# Altium PCB PROC099A_ASCII.PcbDoc (part 3 of 6)
Units mil, origin at the board's own origin, x right, y up, seen from the top; angles counter-clockwise.
Board outline 3180 x 2565 mil, 6 copper layers (TOP, L2, L3, L4, L5, BOTTOM), stack 55.54 mil thick; 362 components, 264 nets, 1248 pads, 1144 vias.
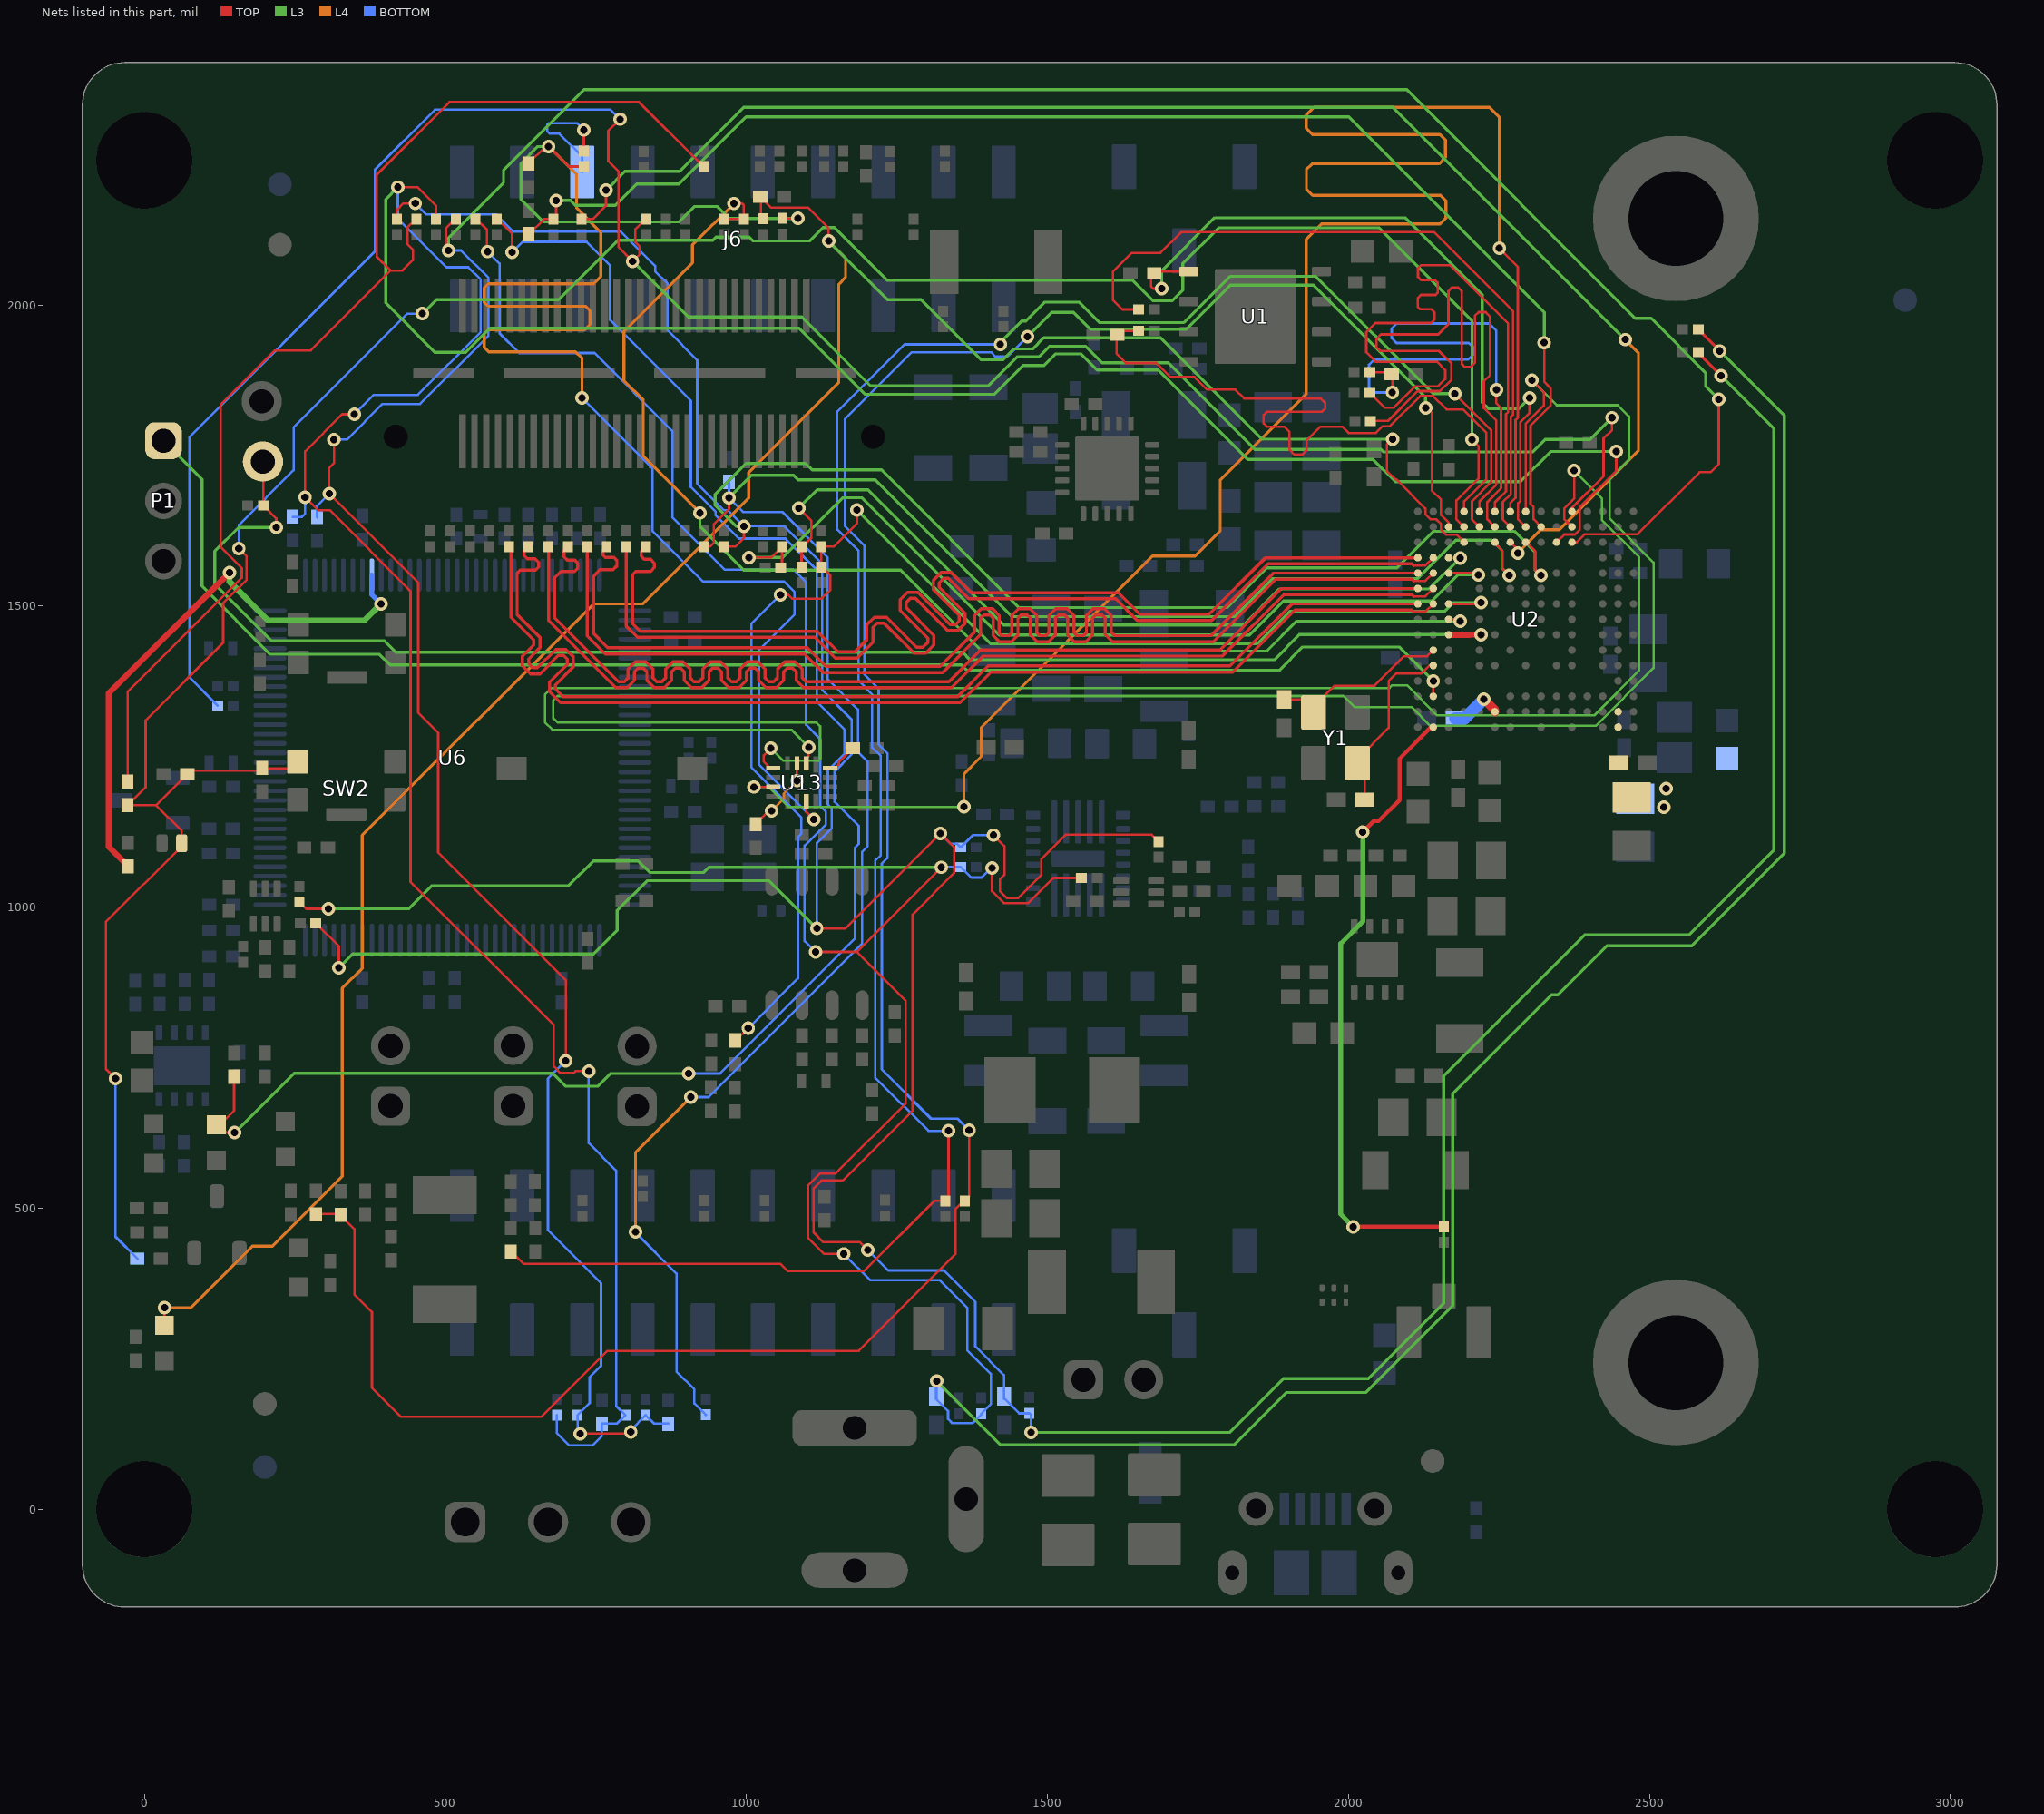
[diagram p7: the nets of this part, all layers, seen from the top]

## Via types
v1: diameter 22.4, hole 12.2, TOP to BOTTOM, tented both sides, 621 vias
v2: diameter 15.74, hole 5.9, TOP to L2, tented top, 508 vias
v3: diameter 19.68, hole 7.87, TOP to BOTTOM, tented top, 7 vias
v4: diameter 19.68, hole 7.87, TOP to BOTTOM, 4 vias
v5: diameter 19.68, hole 7.87, TOP to BOTTOM, tented both sides, 3 vias
v6: diameter 19.68, hole 7.87, TOP to BOTTOM, tented bottom, 1 vias

## Nets (pads, with @x,y where several pads share a name; then routed paths per layer and width w, separated by ;. In a path a pad name is that pad's centre, name@x,y a point inside that pad or via, vN(x,y) a via of type N, cw(c..) or ccw(c..) an arc to the next point about the centre after c; other vN are vias at no path point) (continued)
AR_LVDSCSI2_N: R54.2 U2.K14 | length 1930.8
  TOP w4: 2108.32,1516.14 2128.07,1516.14 U2.K14@2141.01,1529.08
  TOP w5.2: R54.2@671.35,1598.73 671.35,1476.15 783.2,1364.3 801.86,1364.3 813.92,1376.36 813.92,1391.01 820.01,1397.1 828.63,1397.1 834.72,1391.01 834.72,1376.36 846.78,1364.3 863.86,1364.3 875.92,1376.36 875.92,1391.01 882.01,1397.1 890.63,1397.1 896.72,1391.01 896.72,1376.36 908.78,1364.3 925.86,1364.3 937.92,1376.36 937.92,1391.01 944.01,1397.1 952.63,1397.1 958.72,1391.01 958.72,1376.36 970.78,1364.3 987.86,1364.3 999.92,1376.36 999.92,1391.01 1006.01,1397.1 1014.63,1397.1 1020.72,1391.01 1020.72,1376.36 1032.78,1364.3 1049.86,1364.3 1061.92,1376.36 1061.92,1391.01 1068.01,1397.1 1076.63,1397.1 1082.72,1391.01 1082.72,1376.36 1094.78,1364.3 1340.79,1364.3 1393.29,1416.8 1790.68,1416.8 1892.76,1518.88 2105.58,1518.88 2108.32,1516.14
AR_LVDSCSI2_P: R55.2 U2.K15 | length 1930.8
  TOP w5.2: R55.2@703.85,1598.73 697,1591.88 697,1581.7 702.2,1576.5 714.8,1576.5 720,1571.3 720,1562.7 714.8,1557.5 692,1557.5 681.55,1547.05 681.55,1480.38 787.43,1374.5 797.63,1374.5 803.72,1380.59 803.72,1395.24 815.78,1407.3 832.86,1407.3 844.92,1395.24 844.92,1380.59 851.01,1374.5 859.63,1374.5 865.72,1380.59 865.72,1395.24 877.78,1407.3 894.86,1407.3 906.92,1395.24 906.92,1380.59 913.01,1374.5 921.63,1374.5 927.72,1380.59 927.72,1395.24 939.78,1407.3 956.86,1407.3 968.92,1395.24 968.92,1380.59 975.01,1374.5 983.63,1374.5 989.72,1380.59 989.72,1395.24 1001.78,1407.3 1018.86,1407.3 1030.92,1395.24 1030.92,1380.59 1037.01,1374.5 1045.63,1374.5 1051.72,1380.59 1051.72,1395.24 1063.78,1407.3 1080.86,1407.3 1092.92,1395.24 1092.92,1380.59 1099.01,1374.5 1336.57,1374.5 1389.07,1427 1786.46,1427 1888.54,1529.08 U2.K15@2115.42,1529.08
AR_LVDSCSI3_N: R56.2 U2.L14 | length 1930.7
  TOP w4: 2108.32,1541.73 2128.07,1541.73 U2.L14@2141.01,1554.67
  TOP w5.2: R56.2@735.75,1598.73 735.76,1450.3 765.56,1420.5 1096.79,1420.5 1127.79,1389.5 1326.03,1389.5 1389.09,1452.56 1389.09,1480.1 1394.29,1485.3 1404.69,1485.3 1409.89,1480.1 1409.89,1450.81 1420.2,1440.5 1439.92,1440.5 1451.09,1451.67 1451.09,1480.1 1456.29,1485.3 1466.69,1485.3 1471.89,1480.1 1471.89,1451.68 1483.07,1440.5 1501.91,1440.5 1513.09,1451.68 1513.09,1480.1 1518.29,1485.3 1528.69,1485.3 1533.89,1480.1 1533.89,1451.67 1545.06,1440.5 1563.91,1440.5 1575.09,1451.68 1575.09,1480.1 1580.29,1485.3 1590.69,1485.3 1595.89,1480.1 1595.89,1452.56 1607.95,1440.5 1775.76,1440.5 1879.73,1544.47 2105.58,1544.47 2108.32,1541.73
AR_LVDSCSI3_P: R57.2 U2.L15 | length 1930.7
  TOP w5.2: R57.2@768.05,1598.73 762,1592.68 762,1584.5 766,1580.5 779.8,1580.5 785,1575.3 785,1566.7 778.8,1560.5 757,1560.5 745.96,1549.46 745.96,1454.53 769.79,1430.7 1101.02,1430.7 1132.02,1399.7 1321.8,1399.7 1378.89,1456.79 1378.89,1484.33 1390.06,1495.5 1408.92,1495.5 1420.09,1484.33 1420.09,1455.04 1424.43,1450.7 1435.69,1450.7 1440.89,1455.9 1440.89,1484.33 1452.06,1495.5 1470.92,1495.5 1482.09,1484.33 1482.09,1455.91 1487.3,1450.7 1497.68,1450.7 1502.89,1455.91 1502.89,1484.33 1514.06,1495.5 1532.92,1495.5 1544.09,1484.33 1544.09,1455.9 1549.29,1450.7 1559.68,1450.7 1564.89,1455.91 1564.89,1484.33 1576.06,1495.5 1594.92,1495.5 1606.09,1484.33 1606.09,1456.79 1612.18,1450.7 1771.53,1450.7 1875.5,1554.67 U2.L15@2115.42,1554.67
AR_LVDSCSI_CLK_N: R52.2 U2.J14 | length 1930.5
  TOP w4: 2108.32,1490.55 2128.07,1490.55 U2.J14@2141.01,1503.49
  TOP w5.2: R52.2@605.75,1598.73 609,1595.48 609,1481.5 646.75,1443.75 646.75,1435.13 627.95,1416.33 627.95,1400.51 641.29,1387.17 657.11,1387.17 687.72,1417.78 696.28,1417.78 702.43,1411.63 702.43,1403.07 672.83,1373.47 672.83,1357.67 691.2,1339.3 1355.15,1339.3 1405.98,1390.12 1807.86,1390.12 1911.03,1493.29 2105.58,1493.29 2108.32,1490.55
AR_LVDSCSI_CLK_P: R53.2 U2.J15 | length 1930.2
  TOP w5.2: R53.2@638.25,1598.73 631,1591.48 631,1583.7 636.2,1578.5 648.78,1578.5 655,1572.28 655,1564.7 649.8,1559.5 624.4,1559.5 619.2,1554.3 619.2,1485.73 656.95,1447.98 656.95,1430.9 638.15,1412.1 638.15,1404.74 645.52,1397.37 652.88,1397.37 683.49,1427.98 700.51,1427.98 712.63,1415.86 712.63,1398.84 683.03,1369.24 683.03,1361.9 695.43,1349.5 1350.93,1349.5 1401.75,1400.32 1803.64,1400.32 1906.8,1503.49 U2.J15@2115.42,1503.49
AR_LVDSCSI_FRCLK_N: R58.2 U2.M14 | length 1930.8
  TOP w4: 2108.32,1567.32 2128.07,1567.32 U2.M14@2141.01,1580.26
  TOP w5.2: R58.2@800.55,1598.73 800.55,1466.51 819.26,1447.8 1113.7,1447.8 1148,1413.5 1184.14,1413.5 1210.39,1439.74 1210.39,1464.72 1216.94,1471.27 1228.79,1471.27 1277.87,1422.19 ; 1277.88,1422.19 1278.69,1421.38 1297.65,1421.38 1311.47,1435.2 1311.47,1451.01 1310.59,1451.89 1265.73,1496.76 1265.73,1506.32 1271.96,1512.55 1280.96,1512.55 1334.46,1459.05 1351.54,1459.05 1363.6,1471.11 1363.6,1488.19 1320.53,1531.26 1320.53,1538.39 1328.13,1545.99 1335.26,1545.99 1369.33,1511.92 1613.53,1511.92 1649.29,1476.16 1772.79,1476.16 1866.69,1570.06 2105.58,1570.06 2108.32,1567.32
AR_LVDSCSI_FRCLK_P: R59.2 U2.M15 | length 1930.3
  TOP w5.2: R59.2@833.05,1598.73 825,1590.68 825,1582.7 830.2,1577.5 840.92,1577.5 847.24,1571.18 847.24,1563.82 840.92,1557.5 816,1557.5 810.75,1552.25 810.75,1470.74 823.49,1457.99 1117.93,1457.99 1152.23,1423.7 1179.92,1423.7 1200.19,1443.97 1200.19,1468.94 1212.72,1481.47 1233.02,1481.47 1282.91,1431.58 1293.43,1431.58 1301.28,1439.42 1301.28,1446.78 1255.53,1492.53 1255.53,1510.54 1267.74,1522.75 1285.19,1522.75 1338.69,1469.25 1347.31,1469.25 1353.4,1475.34 1353.4,1483.96 1310.33,1527.03 1310.33,1542.61 1323.91,1556.19 1339.49,1556.19 1373.56,1522.12 1617.76,1522.12 1653.52,1486.36 1768.56,1486.36 1862.46,1580.26 U2.M15@2115.42,1580.26
AR_MCUCLKOUT: R25.1 U2.N9 | length 2473.2
  TOP w4: R25.1@726.25,2142.71 744.9,2142.71 767,2164.81 v1(767,2190.5) ; U2.N9@2268.96,1605.85 2281.19,1593.62 v1(2281.19,1587.85)
  L3 w5: v1(767,2190.5) 798.36,2221.86 889.32,2221.86 995.82,2328.37 2074.05,2328.37 v1(2459.96,1942.46)
  L4 w5: v1(2281.19,1587.85) 2319.84,1626.5 2350.43,1626.5 2481.77,1757.84 2481.77,1920.65 v1(2459.96,1942.46)
AR_MISO1: U2.P5 U13.2 | length 2887.4
  TOP w4: U13.2@1099.73,1238.71 1099.73,1247.06 1103.57,1250.89 v1(1103.57,1265.52) ; U2.P5@2371.32,1631.44 2358.82,1643.94 2358.82,1662.32 2375,1678.5 v1(2375,1725)
  L3 w4: v1(1103.57,1265.52) 1074.7,1294.39 677.98,1294.39 665.41,1306.96 665.41,1352.64 676.51,1363.74 2068.2,1363.74 2072.78,1368.32 2097.46,1368.32 2147.38,1318.4 2408.4,1318.4 2483.17,1393.17 2483.17,1581.06 2421.18,1643.05 2421.18,1678.82 v1(2375,1725)
AR_MOSI1: U2.R8 U13.5 | length 3449.3
  TOP w4: v1(1040.7,1263.94) 1028.78,1252.02 1028.78,1241.41 1039.36,1230.83 U13.5@1044.61,1230.83 ; U2.R8@2294.55,1657.03 2294.55,1802.77 2324.54,1832.77 2324.54,1855.08 v1(2304.72,1874.9)
  L3 w4: v1(1040.7,1263.94) 1061.69,1242.95 1119.65,1242.95 1122.59,1245.9 1122.59,1300.34 1116.76,1306.18 686.78,1306.18 679.28,1313.68 679.28,1343.46 686.33,1350.51 1991.94,1350.51 2010.64,1331.81 2105.54,1331.81 2136.32,1301.02 2411.06,1301.02 2506.93,1396.89 2506.93,1572.14 2434.1,1644.97 2434.1,1711.17 2465.94,1743.02 2465.94,1814.9 2447.33,1833.51 2346.11,1833.51 v1(2304.72,1874.9)
AR_MSS_LOGGER: R26.1 R136.1 U2.R5 | length 3858.3
  TOP w4: v1(790,2308.5) 770.75,2289.25 770.75,2238.75 787.37,2222.13 787.37,2096.13 v1(811,2072.5) 822.45,2083.95 822.45,2097.21 815.72,2103.95 815.72,2125.93 832.5,2142.71 R26.1@834.11,2142.71 ; U2.R5@2371.32,1657.03 2371.32,1662.82 2423.95,1715.45 2423.95,1778.54 2437.81,1792.4 v1(2437.81,1812.83)
  L3 w5: v1(811,2072.5) 903.55,1979.95 1092.11,1979.95 1206.2,1865.87 1402.01,1865.87 1449.72,1913.58 1486.35,1913.58 1504.32,1931.55 1563.3,1931.55 1590.81,1904.04 1700.57,1904.04 1844.52,1760.09 2054.08,1760.09 2058.42,1755.74 2306.14,1755.74 2327,1776.61 2401.58,1776.61 v1(2437.81,1812.83)
  BOTTOM w4: R136.1@121.79,1334.29 75,1381.08 75,1780.78 383,2088.78 383,2224.49 482.72,2324.22 774.28,2324.22 v1(790,2308.5)
AR_NERR_OUT: DS1.2 R7.2 R19.1 R91.1 U2.N8 | length 4919.1
  TOP w4: R91.1@149,718.2 149,662.1 124.73,637.83 137.06,625.5 v1(150,625.5) ; R19.1@419.25,2142.71 419.25,2157.75 430,2168.5 v1(450,2168.5) ; R7.2@962.11,1598.73 981.73,1598.73 995.94,1612.94 v1(995.94,1632.56) ; U2.N8@2294.55,1605.85 2295.65,1605.85 2310,1591.5 2310,1560.45 v1(2319.65,1550.8)
  L3 w5: v1(150,625.5) 248.65,724.15 678.65,724.15 700.35,702.45 752.8,702.45 773.85,723.5 v1(904,723.5) ; v1(995.94,1632.56) 982.51,1632.56 948,1667.07 948,1685.77 999.12,1736.89 1098.3,1736.89 1109.23,1725.96 1224.73,1725.96 1453.32,1497.37 1798.45,1497.37 1864.47,1563.39 2080.69,1563.39 2141.36,1624.05 2275.55,1624.05 2310,1589.6 2310,1560.45 v1(2319.65,1550.8)
  BOTTOM w4: v1(450,2168.5) 468.33,2150.17 584.66,2150.17 613.16,2121.66 791.6,2121.66 848.52,2064.74 848.52,2055.72 869.16,2035.08 869.16,1957.7 918.47,1908.39 918.47,1703.46 962.96,1658.97 969.53,1658.97 v1(995.94,1632.56) 1063.08,1632.56 1126.12,1569.52 1126.12,1360.38 1174.8,1311.7 1174.8,1253.49 1146.37,1225.06 1146.37,1174.96 1186.69,1134.64 1186.69,1104.83 1180.54,1098.69 1180.54,947.84 956.2,723.5 v1(904,723.5)
AR_NERRIN: R16.1 R24.1 U2.P7 | length 2305.9
  TOP w4: R16.1@638.2,2118.25 639.75,2118.25 664.21,2142.71 R24.1@679.75,2142.71 684,2146.96 v1(684,2173.5) ; U2.P7@2320.14,1631.44 2307.55,1644.03 2307.55,1664.36 2302.55,1669.36 2302.55,1799.46 2336,1832.91 2336,1861.75 2325.3,1872.46 v1(2325.3,1937.18)
  L3 w5: v1(684,2173.5) 708.06,2173.5 716.11,2165.45 782.52,2165.45 817.7,2200.63 888.09,2200.63 999.73,2312.27 2000.58,2312.27 2325.3,1987.56 v1(2325.3,1937.18)
AR_NRST: C11.2 D2.2 R74.1 R77.2 R160.1 SW2.4 U2.P12 | length 4567.5
  TOP w4: v1(-48,715.5) -64,731.5 -64,975.35 62.05,1101.4 D2.2@62.05,1106.06 62.05,1126.47 19.36,1169.16 ; v1(157,1595.5) 169.9,1582.6 169.9,1543.6 130.99,1504.7 130.99,1439.05 2,1310.06 2,1198.9 R77.2@-27.74,1169.16 19.36,1169.16 ; SW2.4@254.64,1241.26 243.93,1230.55 195.7,1230.55 191.65,1226.5 76.69,1226.5 R74.1@71.34,1221.14 19.36,1169.16 ; U2.P12@2192.19,1631.44 2192.1,1631.44 2179.59,1643.95 2179.59,1675.35 2216.39,1712.15 2216.39,1765.01 v1(2205.25,1776.15)
  L3 w5: v1(462,1985.5) 485.14,2008.64 687.94,2008.64 786.65,2107.34 944.35,2107.34 949.73,2112.72 1004.64,2112.72 1011.16,2106.21 1104.74,2106.21 1127.24,2128.71 1146.35,2128.71 1233.93,2041.14 1641.05,2041.14 1675.09,2007.09 1707.54,2007.09 1724.93,2024.47 1724.93,2068.73 1784.2,2128 2051.11,2128 2205.25,1973.86 v1(2205.25,1776.15)
  BOTTOM w4: v1(-48,715.5) -48,452.71 R160.1@-11.2,415.91 ; v1(157,1595.5) 157,1634.74 248,1725.74 248,1796.51 436.99,1985.5 v1(462,1985.5)
AR_NRST_MCU: R2.2 R20.1 R77.1 | length 2040
  TOP w4: R77.1@-27.74,1207.75 R77.1@-27.74,1208.53 -27.74,1357.28 161.9,1546.92 161.9,1562.83 126.94,1597.78 126.94,1834.81 216.64,1924.5 276.3,1924.5 408.8,2057 ; R20.1@452.11,2142.71 450.87,2142.71 436.84,2128.68 436.84,2101.15 446.2,2091.79 446.2,2074.7 428.5,2057 408.8,2057 ; 408.8,2057 386,2079.8 386,2215.99 507.01,2337 821.54,2337 918.88,2239.66 ; 918.88,2239.66 928.81,2229.73 R2.2@930.05,2229.73 920.12,2239.66 918.88,2239.66
AR_NRST_XDS: R80.1 U6.40 | length 942.6
  TOP w10: R80.1@-27.26,1068.25 -59,1099.99 -59,1355.42 v1(141.26,1555.68)
  L3 w10: v1(141.26,1555.68) 141.26,1540.43 205.74,1475.95 365.45,1475.95 v1(393,1503.5)
  BOTTOM w8: U6.40@377.93,1551.19 377.93,1518.57 v1(393,1503.5)
AR_OSC_CLKOUT: R111.1 U2.A14 | length 1059.7
  TOP w7.08: v1(2008,469.16) R111.1@2158.86,469.16 ; v1(2024,1124.5) 2042.22,1142.72 2050.13,1142.72 2085,1177.59 2085,1246.5 2137.27,1298.77 U2.A14@2141.01,1298.77
  L3 w8: v1(2008,469.16) 1987.13,490.03 1987.13,939.36 2024,976.23 v1(2024,1124.5)
AR_PMIC_CLKOUT_SOP2: R97.1 R98.1 R109.2 U2.P13 | length 4362.4
  TOP w4: R97.1@285,490.25 324.11,490.25 349,465.36 349,356.5 378,327.5 378,201.49 425.99,153.5 659.51,153.5 769.07,263.06 1186.64,263.06 1347.44,423.86 1347.44,498.55 1360.96,512.07 R109.2@1362.85,512.07 1370.05,519.28 v1(1370.05,629.15) ; v1(2128.34,1829.19) 2130.31,1829.19 2138.4,1821.1 2138.4,1691.94 2153.85,1676.49 2153.85,1650.79 2166.6,1638.04 U2.P13@2166.6,1631.44
  L3 w5: v1(1467,1947.5) 1506.93,1987.44 1543.66,1987.44 1571.61,1959.49 1730.65,1959.49 1803.9,2032.73 1942.34,2032.73 2128.34,1846.73 v1(2128.34,1829.19)
  BOTTOM w4: v1(1370.05,629.15) 1350.6,648.61 1306.78,648.61 1225.06,730.32 1225.06,1072.24 1234.27,1081.45 1234.27,1255.38 1219.8,1269.85 1219.8,1362.91 1195.95,1386.76 1195.95,1600.47 1163.51,1632.91 1163.51,1810.14 1274.67,1921.3 1406.63,1921.3 1413.63,1914.3 1433.8,1914.3 v1(1467,1947.5)
AR_QSPI_CS: R38.1 U1.1 U2.P8 | length 1249.6
  TOP w4: v1(1690.01,2027.11) 1675.67,2027.11 1672.36,2030.43 1672.36,2047.32 R38.1@1677.37,2052.34 1680.71,2055.68 U1.1@1734.99,2055.68 ; U2.P8@2294.55,1631.44 2282.05,1643.94 2282.05,1670.71 2285.78,1674.44 2285.78,1805.32 2301,1820.54 v1(2301,1845.5)
  L3 w5: v1(1690.01,2027.11) 1690.01,2056.68 1778.05,2144.71 2094.4,2144.71 2222.37,2016.74 2222.37,1838.01 2232.8,1827.57 2283.07,1827.57 v1(2301,1845.5)
AR_QSPI_D0: R45.2 U2.R11 | length 1154.6
  TOP w4: R45.2@2036.77,1807.35 2036.92,1807.5 2065.8,1807.5 2115.18,1856.87 2152.14,1856.87 2171.08,1875.81 2171.08,1902.99 2150.52,1923.55 2052.86,1923.55 2046.91,1929.5 2046.91,1943.74 2054.11,1950.94 2149.19,1950.94 2166.23,1967.98 2166.23,2022.98 2172.44,2029.19 2181.64,2029.19 2188.41,2022.42 2188.41,1901.93 2193.37,1896.97 2203.3,1896.97 2210.03,1903.7 2210.03,1981.59 2216.33,1987.9 2228.07,1987.9 2235.25,1980.72 2235.25,1883.57 2225,1873.32 2225,1828.83 2245.41,1808.42 2245.41,1701.17 2217.78,1673.54 U2.R11@2217.78,1657.03
AR_QSPI_D1: R39.1 U2.P9 | length 1213.3
  TOP w4: R39.1@1651.79,1992.45 1624.55,1992.45 1608.69,2008.31 1608.69,2055.09 1639.97,2086.37 1687.99,2086.37 1722.39,2120.78 2142.66,2120.78 2273.38,1990.06 2273.38,1817.75 2269.78,1814.16 2269.78,1686.04 2256.46,1672.72 2256.46,1643.94 U2.P9@2268.96,1631.44
AR_QSPI_D2: R42.1 R43.1 U2.R12 | length 1219.1
  TOP w4: R42.1@1651.79,1956.85 1621.64,1956.85 1615,1950.21 1615,1918.83 1630.2,1903.63 1681.2,1903.63 1704.4,1880.44 1744.17,1880.44 1765.2,1859.41 1812.22,1859.41 1826.91,1844.73 1953.95,1844.73 1961.78,1836.9 1961.78,1828.53 1955.82,1822.58 1864.87,1822.58 1859.14,1816.84 1859.14,1803.04 1864.43,1797.74 1893.14,1797.74 1902.09,1788.79 1902.09,1759.76 1910.32,1751.53 1923.67,1751.53 1930.66,1758.53 1930.66,1774.52 1953.88,1797.74 1989.95,1797.74 2000.3,1787.39 2045.88,1787.39 2057.08,1798.59 2069.18,1798.59 2119.46,1848.87 2140.66,1848.87 2163.03,1826.5 2190.01,1826.5 2229.26,1787.25 2229.26,1711.02 2192.19,1673.95 U2.R12@2192.19,1657.03
AR_QSPI_D3: R40.2 R41.1 U2.P10 | length 1024
  TOP w4: R40.2@2035.77,1888.35 2068.88,1888.35 2073,1884.23 v1(2073,1854.5) ; U2.P10@2243.37,1631.44 2243.3,1631.44 2230.59,1644.15 2230.59,1672.45 2253.65,1695.51 2253.65,1828.97 2245.76,1836.86 v1(2245.76,1859.34)
  BOTTOM w4: v1(2073,1854.5) 2042.75,1854.5 2034.39,1862.86 2034.39,1900.71 2042.76,1909.08 2198.68,1909.08 2206.97,1917.38 2206.97,1929.99 2200.13,1936.83 2079.88,1936.83 2071.9,1944.81 2071.9,1960.48 2080.58,1969.15 2233.97,1969.15 2245.76,1957.36 v1(2245.76,1859.34)
AR_QSPI_SCLK: R44.2 U2.R10 | length 1144.7
  TOP w4: R44.2@2035.77,1853.85 2060.12,1829.5 2076,1829.5 2111.37,1864.87 2148.83,1864.87 2160.89,1876.93 2160.89,1891.87 2147.21,1905.55 2045.47,1905.55 2029.7,1921.32 2029.7,1954.89 2044.6,1969.79 2137.46,1969.79 2143.22,1975.55 2143.22,1987.42 2138.01,1992.63 2119.35,1992.63 2115.41,1996.57 2115.41,2011.44 2120.51,2016.54 2144.73,2016.54 2148.23,2020.04 2148.23,2036.83 2144.1,2040.97 2121.07,2040.97 2115.62,2046.41 2115.62,2060.88 2120.93,2066.19 2168.16,2066.19 2265.38,1968.97 2265.38,1822.26 2261.78,1818.67 2261.78,1690.54 2243.37,1672.13 U2.R10@2243.37,1657.03
AR_RESERVED: C8.1 TP2.1 U2.G13 | length 2518.4
  TOP w4: TP2.1@196.94,1739.77 197.7,1739.01 C8.1@197.68,1666.75 219,1645.45 v1(219,1630.5)
  TOP w10: U2.G13@2166.6,1452.31 2202.26,1452.31 2202.35,1452.4 v1(2220.55,1452.4)
  L3 w5: v1(219,1630.5) 156.57,1630.5 116.95,1590.88 116.95,1536.29 211.11,1442.13 398.67,1442.13 417.68,1423.12 1359.33,1423.12 1371.76,1410.69 1877.03,1410.69 1918.75,1452.4 v1(2220.55,1452.4)
AR_RS232RX: R33.1 R129.1 R166.1 R168.1 R172.1 U2.N5 | length 5544.5
  TOP w4: v1(315,1776.5) 315,1737.35 307,1729.35 v1(307,1686.5) 454.92,1538.58 454.92,1322.58 488.09,1289.41 488.09,1090.48 700,878.56 v1(700,744.5) ; v1(505,2090.5) 501.12,2094.38 501.12,2127.24 516.15,2142.27 R33.1@517.39,2142.27 ; v1(724,125.5) 805,125.5 v1(808,128.5) ; U2.N5@2371.32,1605.85 2379.52,1605.85 2392.81,1619.14 2480.64,1619.14 2583.6,1722.1 2601.85,1722.1 2615.33,1735.57 2615.33,1843.17 v1(2615.2,1843.3)
  L3 w5: v1(505,2090.5) 505,2111.19 596.5,2202.69 596.5,2223.43 730.51,2357.44 2097.02,2357.44 2476.51,1977.94 2502.99,1977.94 2593.95,1886.98 2593.95,1864.55 v1(2615.2,1843.3)
  BOTTOM w4: R129.1@287,1647.4 R129.1@287,1648.18 287,1666.5 v1(307,1686.5) ; v1(315,1776.5) 336.63,1776.5 395.63,1835.5 458.16,1835.5 571.52,1948.86 571.52,2044.98 526,2090.5 v1(505,2090.5) ; v1(700,744.5) 670.55,715.05 670.55,463.47 758.52,375.5 758.52,238.03 739.69,219.2 739.69,176.35 R168.1@719.63,156.29 719.63,129.87 v1(724,125.5) ; v1(808,128.5) 808,131.54 R166.1@832.75,156.29 846.79,142.25 R172.1@870.18,142.25
AR_RS232TX: R21.1 R128.1 R167.1 R169.1 R173.1 U2.N6 | length 5569.5
  TOP w4: v1(349,1818.5) 328.58,1818.5 267,1756.92 v1(267,1680.5) 288.25,1659.25 307.75,1659.25 442.26,1524.74 442.26,1041.74 679.96,804.04 679.96,735.42 691.03,724.36 713.05,724.36 716.2,727.5 v1(738,727.5) ; v1(421,2195.5) 453.88,2195.5 484.35,2165.02 R21.1@484.35,2142.71 ; U2.N6@2345.73,1605.85 2358.73,1618.85 2376.41,1618.85 2384.09,1626.53 2384.09,1663.59 2445,1724.5 v1(2445,1756.5)
  L3 w5: v1(421,2195.5) 400.95,2175.45 400.95,2003.12 482.62,1921.45 533.95,1921.45 573.9,1961.4 1087.72,1961.4 1197.62,1851.5 1411.43,1851.5 1459.48,1899.55 1494.23,1899.55 1513.23,1918.55 1555.96,1918.55 1582.83,1891.67 1684.5,1891.67 1832.53,1743.64 2040.86,1743.64 2078.18,1706.32 2285.92,1706.32 2336.1,1756.5 v1(2445,1756.5)
  BOTTOM w4: R128.1@246.5,1647.75 261.21,1647.75 267,1653.54 v1(267,1680.5) ; v1(349,1818.5) 381.03,1850.53 454.48,1850.53 558.61,1954.66 558.61,2041.86 537.97,2062.5 502,2062.5 421,2143.5 v1(421,2195.5) ; R169.1@685.13,156.29 685.13,126.82 706.05,105.9 744.51,105.9 759.88,121.27 R173.1@759.88,141.47 759.88,142.25 785.09,142.25 R167.1@799.13,156.29 783.78,171.64 783.78,562.46 738,608.23 v1(738,727.5)
AR_SCL: R22.1 R144.1 R163.1 R171.1 R180.1 R185.1 R197.1 | length 7549.2
  TOP w4: R185.1@257.83,1008.23 269.06,997 v1(306,997) ; R22.1@550.11,2142.71 551.35,2142.71 569.34,2124.72 569.34,2089.16 v1(570,2088.5) ; v1(1115,925.5) 1183.6,925.5 ; v1(1162,424) 1128.98,424 1102.39,450.59 1102.39,537.71 1122.33,557.65 1148.29,557.65 1264.8,674.16 1264.8,844.3 1183.6,925.5 ; v1(1323.73,1065.99) 1183.42,925.68 1183.6,925.5 ; v1(1408,1065) 1408,1026.26 1427.52,1006.74 1468.26,1006.74 1509.85,1048.33 R180.1@1556.79,1048.33
  TOP w5: R197.1@2580.99,1959 2581.5,1959 v1(2617,1923.5)
  L3 w5: v1(306,997) 439.03,997 477.59,1035.57 704.69,1035.57 745.86,1076.74 820.17,1076.74 839.46,1057.45 929.29,1057.45 937.83,1065.99 v1(1323.73,1065.99) ; v1(1316,213) 1422.25,106.75 1810.03,106.75 1897.2,193.92 2029.48,193.92 2173.5,337.94 2173.5,690.19 2337.46,854.14 2347.98,854.14 2429.64,935.8 2570.7,935.8 2724.17,1089.27 2724.17,1816.33 v1(2617,1923.5)
  BOTTOM w4: v1(570,2088.5) 590,2068.5 590,1952.94 622.85,1920.09 747.89,1920.09 877.19,1790.79 877.19,1647.21 964.1,1560.3 1078.67,1560.3 1099.12,1539.86 1099.12,1302.8 1122.64,1279.29 1122.64,1167.58 1132,1158.22 1132,1137.08 1096.8,1101.88 1096.8,943.7 v1(1115,925.5) ; v1(1162,424) 1205.85,380.15 1321.42,380.15 1366.95,334.62 1366.95,263.93 1406,224.88 1406,174.48 R163.1@1390.25,158.73 1390.25,157.25 1376,143 1342.01,143 1335,150.01 1335,163.12 1315.37,182.75 R171.1@1315.37,187.47 1315.37,212.37 v1(1316,213) ; v1(1323.73,1065.99) 1324.43,1066.69 R144.1@1355.79,1066.69 1373.48,1049 1391,1049 1407,1065 v1(1408,1065)
AR_SDA: R23.1 R146.2 R162.1 R170.1 R182.2 R186.2 R198.1 | length 7500.3
  TOP w4: R186.2@284.77,973.33 323,935.1 v1(323,899) ; R23.1@585.61,2142.71 586.85,2142.71 611,2118.56 v1(611,2087.5) ; v1(1117,964.5) 1164.42,964.5 v1(1322.31,1122.39) 1345.17,1099.53 1345.17,1056.68 1276.07,987.58 1276.07,661.53 1160.53,546 1124.64,546 1111.72,533.09 1111.72,459.49 1127.38,443.83 1188.17,443.83 v1(1201.5,430.5) ; v1(1410.36,1119.51) 1428.74,1101.13 1428.74,1053.43 1421.2,1045.89 1421.2,1026.75 1433.22,1014.74 1451.18,1014.74 1490,1053.55 1490,1080.13 1529.95,1120.07 1673.37,1120.07 R182.2@1684.67,1108.77
  TOP w5: R198.1@2580.99,1922 2580.99,1920.51 v1(2619,1882.5)
  L3 w5: v1(323,899) 346,922 746.01,922 785.55,961.55 785.55,994.57 834.79,1043.8 1037.7,1043.8 v1(1117,964.5) ; v1(1472.74,127.45) 1802.5,127.45 1892.02,216.97 2033.48,216.97 2158.33,341.81 2158.33,719.56 2393.06,954.29 2566.32,954.29 2706.86,1094.83 2706.86,1794.64 v1(2619,1882.5)
  BOTTOM w4: v1(611,2087.5) 628.2,2104.7 734.71,2104.7 773.62,2065.78 773.62,1974.98 907.81,1840.79 907.81,1697.72 948.69,1656.85 948.69,1651.24 988.02,1611.91 1064.8,1611.91 1117.12,1559.59 1117.12,1340.79 1163.16,1294.76 1163.16,1254.64 1135.37,1226.86 1135.37,1170.4 1141.96,1163.81 1141.96,1131.48 1117,1106.52 v1(1117,964.5) ; v1(1201.5,430.5) 1235.5,396.5 1328.32,396.5 1380.18,344.64 1380.18,270.57 1428.02,222.73 R170.1@1428.02,187.47 1428.02,182.75 1429.74,182.75 1453.2,159.29 R162.1@1469.12,159.29 ; v1@1322.35,1122.39 1339.69,1105.05 1349.93,1105.05 R146.2@1355.79,1099.19 1376.11,1119.51 v1(1410.36,1119.51) ; R162.1@1470.25,159.29 1472.74,156.79 v1(1472.74,127.45)
AR_SPICLK1: U2.R9 U13.7 | length 3695.9
  TOP w4: v1(1012.56,1199.34) U13.7@1044.61,1199.34 ; v1(2250.82,2093.98) 2281.38,2063.42 2281.38,1812.59 2277.78,1808.99 2277.78,1679.54 2268.96,1670.72 U2.R9@2268.96,1657.03
  L3 w4: v1(1012.56,1199.34) 1037.14,1199.34 1069.98,1166.5 v1(1361.5,1166.5)
  L4 w5: v1(1361.5,1166.5) 1361.5,1221.2 1390.05,1249.75 1390.05,1298.28 1674.77,1583 1745.31,1583 1787.06,1624.74 1787.06,1708.88 1929.86,1851.68 1929.86,2108.76 1955.43,2134.33 2152.03,2134.33 2161.85,2144.15 2161.85,2172.92 2153.02,2181.75 1940.76,2181.75 1930.19,2192.32 1930.19,2224.76 1939.71,2234.27 2150.36,2234.27 2161.08,2245 2161.08,2273.89 2151.96,2283.01 1940.25,2283.01 1929.86,2293.41 1929.86,2315.34 1942.45,2327.93 2234.5,2327.93 2250.82,2311.61 v1(2250.82,2093.98)
AR_SYNC_IN: R62.2 R165.1 R196.2 U2.N10 | length 3578.6
  TOP w4: R62.2@929.85,1598.73 939.23,1598.73 946,1605.5 946,1635.83 971,1660.83 v1(971,1679.5) ; U2.N10@2243.37,1605.85 2243.37,1604.13 2256,1591.5 2256,1562.39 v1(2267.19,1551.2)
  L3 w5: v1(971,1679.5) 1008.47,1716.97 1078.45,1716.97 1085.73,1709.7 1213.92,1709.7 1441.22,1482.4 1811.68,1482.4 1874.35,1545.07 2114.72,1545.07 2178.75,1609.1 2238.56,1609.1 2255,1592.66 2255,1563.39 v1(2267.19,1551.2)
  L4 w5: v1(816,460.5) 816,592.5 v1(908,684.5)
  BOTTOM w4: v1(816,460.5) 816,459.5 884,391.5 884,228.51 913.68,198.83 913.68,175.8 R165.1@932.75,156.73 ; v1(908,684.5) 937.49,684.5 1192.06,939.07 1192.06,1091.33 1201.27,1100.54 1201.27,1241.71 1185.32,1257.66 1185.32,1327.91 1135.12,1378.11 1135.12,1580.67 1059.64,1656.15 994.35,1656.15 v1(971,1679.5) R196.2@971,1706.22
AR_SYNC_OUT_SOP1: R108.2 R113.1 U2.P11 | length 3694.5
  TOP w4: R113.1@608.92,428.65 629.99,407.58 1056.41,407.58 1068.52,395.47 1195.46,395.47 1312.06,512.07 R108.2@1330.35,512.07 1335.74,517.46 v1(1335.74,628.41) ; v1(2177,1852.5) 2237.31,1792.19 2237.31,1706.07 2205.28,1674.04 2205.28,1643.94 U2.P11@2217.78,1631.44
  L3 w5: v1(1422,1934.5) 1422,1937.93 1457.57,1973.5 1464.51,1973.5 1495.6,2004.6 1552.25,2004.6 1586.13,1970.72 1726.96,1970.72 1803.71,2047.46 1945.82,2047.46 2140.78,1852.5 v1(2177,1852.5)
  BOTTOM w4: v1(1335.74,628.41) 1302.51,628.41 1214.06,716.86 1214.06,1076.8 1223.27,1086.01 1223.27,1250.83 1208.8,1265.29 1208.8,1353.38 1186.39,1375.79 1186.39,1591.46 1150.92,1626.93 1150.92,1822.81 1262.61,1934.5 v1(1422,1934.5)
AR_TCK: R66.2 R70.1 U2.M13 | length 1383.3
  TOP w4: v1(1087,1662.5) 1107.67,1641.83 1107.67,1612.54 1091.75,1596.62 1091.75,1565.13 R70.1@1091.33,1564.71 ; U2.M13@2166.6,1580.26 2167.11,1579.75 v1(2185.79,1579.75)
  L3 w5: v1(1087,1662.5) 1117.67,1693.17 1202.26,1693.17 1427.16,1468.27 1825.77,1468.27 1885.83,1528.34 2134.38,1528.34 v1(2185.79,1579.75)
AR_TDI: R29.1 R30.1 U2.H13 | length 2126
  TOP w4: R29.1@963.83,2142.71 R30.1@995.75,2142.71 995.75,2165.75 993.09,2168.42 v1(979.57,2168.42) ; U2.H13@2166.6,1477.9 2182.84,1477.9 v1(2185.79,1474.95)
  L3 w5: v1(923,1654.5) 923,1632.13 995.32,1559.81 1256.15,1559.81 1390.85,1425.1 1864.04,1425.1 1913.89,1474.95 v1(2185.79,1474.95)
  L4 w5: v1(923,1654.5) 828.72,1748.78 828.72,1842.17 796.9,1873.99 796.9,1956.26 910.68,2070.03 910.68,2099.52 v1(979.57,2168.42)
AR_TDO_SOP0: R67.2 R71.1 R89.1 U2.J13 | length 2319.1
  TOP w4: R89.1@982.66,778.53 v1(1003.18,799.05) ; v1(1056.61,1518.55) 1069.65,1518.55 1076.01,1512.2 1125.02,1512.2 1139.6,1526.77 1139.6,1550.68 1124.25,1566.03 R67.2@1124.25,1598.73 1145.06,1598.73 1183.5,1637.17 v1(1183.5,1659.5) ; U2.J13@2166.6,1503.49 2218.63,1503.49 v1(2220.59,1505.45)
  L3 w5: v1(1183.5,1659.5) 1405.55,1437.45 1848.97,1437.45 1902.58,1491.06 2159.47,1491.06 2173.86,1505.45 v1(2220.59,1505.45)
  BOTTOM w4: v1(1003.18,799.05) 1085.8,881.67 1085.8,1116.37 1091.48,1122.05 1091.48,1148.61 1008.22,1231.87 1008.22,1470.17 v1(1056.61,1518.55)
AR_TMS: R65.2 R69.1 U2.L13 | length 1538.5
  TOP w4: v1(1004,1580.5) 1041.02,1580.5 R65.2@1059.25,1598.73 1059.25,1565.78 R69.1@1057.09,1563.62 ; U2.L13@2166.6,1554.67 2213.17,1554.67 v1(2215.99,1551.85)
  L3 w5: v1(1004,1580.5) 1060.57,1580.5 1159.8,1679.73 1192.06,1679.73 1420.17,1451.62 1835.73,1451.62 1892.37,1508.26 2138.54,1508.26 2182.14,1551.85 v1(2215.99,1551.85)
AR_VBGAP: C56.1 U2.B10 | length 89.4
  TOP w15: v1(2225.2,1345.25) 2243.37,1327.08 U2.B10@2243.37,1324.36
  BOTTOM w20: C56.1@2177.45,1313.3 2193.25,1313.3 v1(2225.2,1345.25)
AR_VOUT_PA: C10.1 C65.1 C83.1 R137.2 U2.A2 U2.B2
  other v1: 2524,1166 2528,1197
AR_VSENSE: P1.1 U2.C14 | length 2436.7
  TOP w4: U2.C14@2141.01,1349.95 v1(2141.01,1375.5)
  L3 w5: P1.1@31.27,1775.06 96.11,1710.22 96.11,1532.91 209.26,1419.76 390.75,1419.76 408.28,1402.24 1357.22,1402.24 1366.11,1393.35 1885.52,1393.35 1924.15,1431.98 2084.53,1431.98 v1(2141.01,1375.5)
AR_WARMRST: DS5.2 R15.1 R18.1 U2.N12 | length 3916.6
  TOP w4: DS5.2@33.45,304.13 v1(33.45,334.51) ; R15.1@1023.12,2179.56 R15.1@1024.12,2178.56 ; R18.1@1028.21,2143.06 1024.12,2147.15 R15.1@1024.12,2178.56 ; v1(1136.71,2106.17) 1136.71,2127.09 1101.9,2161.9 1040.78,2161.9 R15.1@1024.12,2178.56 ; v1(2073.23,1777.05) 2063.86,1767.68 2063.86,1724.36 2077.9,1710.32 2079.53,1710.32 2128.05,1661.79 2128.05,1652.31 2136.41,1643.95 2146.18,1643.95 2153.89,1636.24 2153.89,1626.47 2161.91,1618.45 2179.59,1618.45 U2.N12@2192.19,1605.85
  L3 w5: v1(1136.71,2106.17) 1234.35,2008.53 1290.53,2008.53 1389.61,1909.45 1426.71,1909.45 1444.06,1926.8 1475.57,1926.8 1493.96,1945.18 1687.91,1945.18 1856.03,1777.05 v1(2073.23,1777.05)
  L4 w5: v1(33.45,334.51) 77.03,334.51 179.25,436.73 213.04,436.73 328.88,552.57 328.88,865.35 361.69,898.16 361.69,1119.23 745.91,1503.45 827.65,1503.45 1003.71,1679.5 1003.71,1721.84 1153.48,1871.61 1153.48,2034.21 1164.69,2045.42 1164.69,2078.19 v1(1136.71,2106.17)
AR_XTALM: C9.1 U2.F14 Y1.3 | length 304.7
  TOP w4: C9.1@1893.4,1344.83 1920.93,1344.83 Y1.3@1942.3,1323.46 1942.3,1332.8 1977,1367.5 2043.53,1367.5 2092.52,1416.48 2130.77,1416.48 U2.F14@2141.01,1426.72
AR_XTALP: C15.2 U2.E14 Y1.1 | length 308.3
  TOP w4: C15.2@2027.09,1178.2 2027.09,1226.86 Y1.1@2015.14,1238.82 2015.14,1245.64 2067,1297.5 2067,1375.41 2079.69,1388.1 2121.6,1388.1 2134.63,1401.13 U2.E14@2141.01,1401.13
CAN_RX: R12.1 U13.3 | length 131.9
  TOP w4: R12.1@1015.51,1137.68 1037.61,1159.78 v1(1041.98,1159.78) ; v1(1083.98,1209.95) U13.3@1083.98,1238.71
  L4 w4: v1(1041.98,1159.78) 1062.37,1180.17 1062.37,1188.33 v1(1083.98,1209.95)
CAN_TX: R11.1 U13.16 | length 55.4
  TOP w4: U13.16@1139.1,1230.83 1147.47,1230.83 1153.56,1236.92 1153.56,1240.8 R11.1@1176.91,1264.15 ; R11.1@1175.84,1265.22 R11.1@1176.9,1266.28
CS1: R1.2 R14.1 R17.1 U13.11 | length 2898.2
  TOP w4: R14.1@638.26,2234.75 666.51,2263 v1(671.5,2263) 704.77,2229.73 R1.2@730.05,2229.73 ; R17.1@1060.25,2143.71 v1(1085.38,2143.71) ; U13.11@1099.73,1175.71 1099.73,1157.63 v1(1111.78,1145.58)
  L3 w5: v1(671.5,2263) 653.64,2263 625.73,2235.1 625.73,2175.02 662.95,2137.8 887.98,2137.8 913.59,2163.41 952.06,2163.41 971.76,2143.71 v1(1085.38,2143.71)
  L4 w5: v1(671.5,2263) 717.97,2216.53 717.97,2160.53 758.18,2120.32 758.18,2047.08 746.05,2034.96 571.28,2034.96 564.44,2028.12 564.44,2004.37 570.98,1997.83 732.82,1997.83 739.99,1990.66 739.99,1966.97 732.16,1959.14 571.26,1959.14 564.44,1952.33 564.44,1929.79 572.07,1922.16 716.18,1922.16 727.08,1911.26 v1(727.08,1845.55)
  BOTTOM w4: v1(727.08,1845.55) 844.38,1728.26 844.38,1624.18 928.2,1540.37 1063.08,1540.37 1079.84,1523.61 1079.84,1485.5 1020.85,1426.52 1020.85,1236.69 1069.89,1187.65 1069.89,1187.47 v1(1111.78,1145.58)
D_LOGGER: J6.6 R1.1 | length 213.3
  TOP w4: R1.1@730.05,2255.71 v1(730.05,2290.45)
  BOTTOM w4: J6.6@727.5,2220.72 727.5,2246.44 689.53,2284.41 673.17,2284.41 669.5,2288.08 669.5,2299.16 672.3,2301.95 718.55,2301.95 v1(730.05,2290.45)